# KiCad board GanJing 65 rev 2 solder-rounded.kicad_pcb (continued)
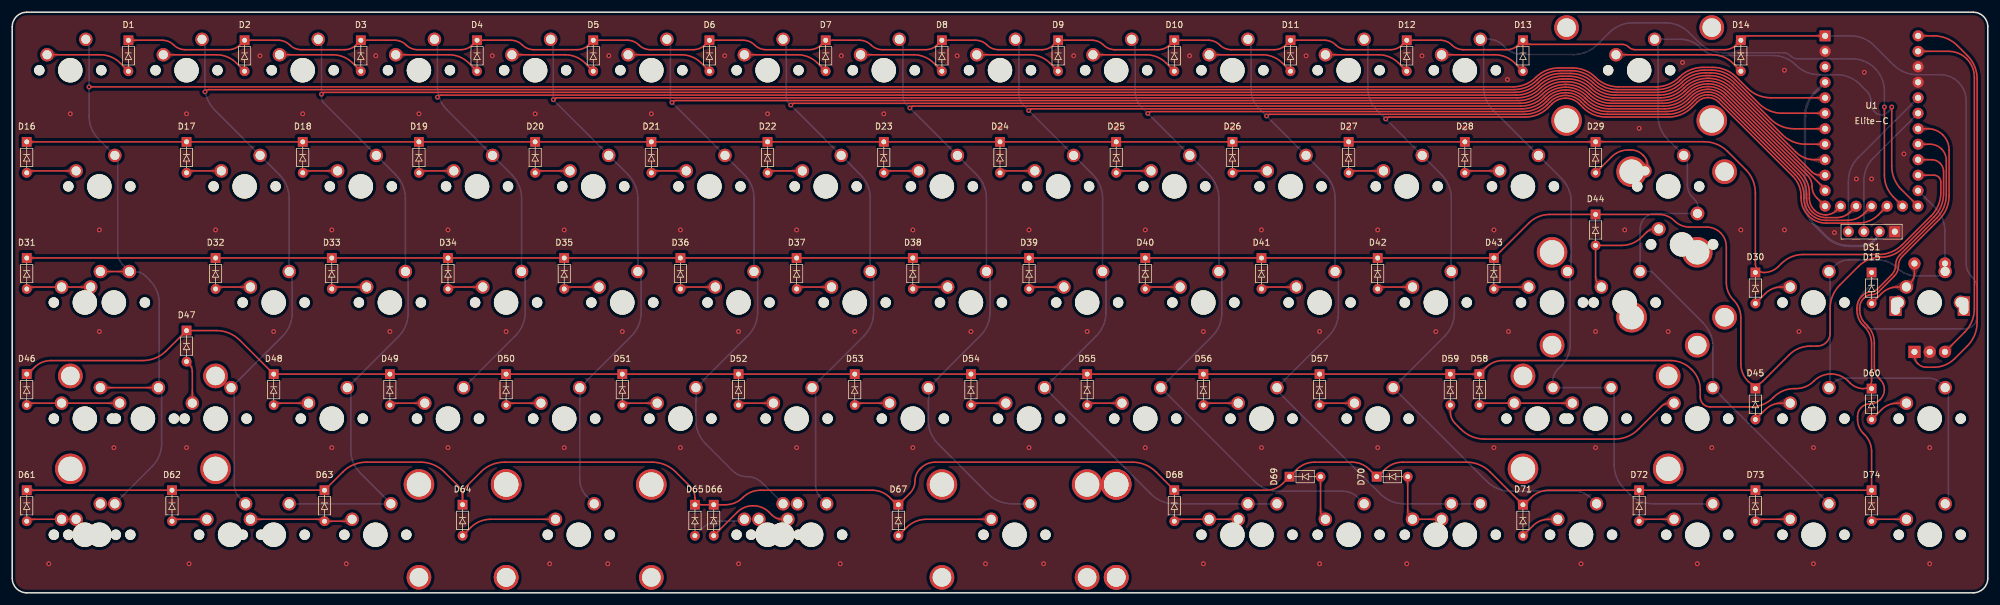
[diagram p0: board, top side]
## Routing (per net, layer and track width the routed paths; a pad name or vN(x,y) marks a point on that pad's centre or on a via; arc(x,y) is an arc through that point) (continued)
  Bottom w0.25: 146,90.22 146,81.51 arc(146.15,80.76) 146.57,80.12 v1(147.15,79.55) 158.11,68.59 arc(159.29,66.82) 159.7,64.74 MX38.1 ; 160.3,52.11 160.3,46.03 arc(159.89,43.95) 158.71,42.18 151.77,35.25 arc(150.59,33.48) 150.18,31.4 150.18,28.29 arc(150.59,26.21) 151.77,24.44 160.01,16.2 arc(161.78,15.02) 163.86,14.6 166.85,14.6
col_9: length 257.7
  Top w0.25: v1(166.62,79.12) 166.76,79.26 arc(166.91,79.36) 167.1,79.4 247.5,79.4 arc(249.52,79.8) 251.24,80.95 251.48,81.19 arc(252.93,82.16) 254.65,82.5 arc(256.37,82.16) 257.82,81.19 258.06,80.95 arc(259.78,79.8) 261.8,79.4 270.94,79.4 arc(273.02,79.81) 274.78,80.99 275.28,81.49 arc(276.51,82.31) 277.96,82.6 arc(279.42,82.31) 280.65,81.49 293.21,68.93 arc(294.24,67.39) 294.6,65.57 294.6,64.73 arc(294.81,63.69) 295.4,62.8 295.46,62.74 arc(296.28,62.19) 297.25,62 297.28,62 arc(298.21,62.19) 299,62.72 U1.25
  Bottom w0.25: 165,90.27 165,81.89 arc(165.21,80.83) 165.81,79.93 v1(166.62,79.12) 177.16,68.59 arc(178.34,66.82) 178.75,64.74 MX39.1 ; 179.3,52.16 179.3,45.98 arc(178.89,43.9) 177.71,42.13 MX54.1 186.68,16.2 arc(188.45,15.02) 190.53,14.6 207.33,14.6
col_10: length 235.9
  Top w0.25: v1(186.15,78.65) 186.3,78.8 arc(186.47,78.91) 186.66,78.95 247.69,78.95 arc(249.71,79.35) 251.43,80.5 251.8,80.87 arc(253.1,81.74) 254.65,82.05 arc(256.2,81.74) 257.5,80.87 257.87,80.5 arc(259.59,79.35) 261.61,78.95 271.12,78.95 arc(273.21,79.36) 274.97,80.54 275.6,81.17 arc(276.68,81.89) 277.96,82.15 arc(279.25,81.89) 280.33,81.17 292.76,68.74 arc(293.79,67.2) 294.15,65.38 294.15,64.73 arc(294.39,63.51) 295.08,62.48 arc(296.11,61.79) 297.33,61.55 299.05,61.55 arc(300.28,61.79) 301.32,62.49 U1.26
  Bottom w0.25: 184.1,90.22 184.1,82.14 arc(184.37,80.81) 185.12,79.67 v1(186.15,78.65) 196.21,68.59 arc(197.39,66.82) 197.8,64.74 MX40.1 ; 221.61,14.6 220.58,15.64 arc(219.44,16.4) 218.09,16.67 207.52,16.67 arc(205.44,17.08) 203.67,18.26 MX55.1 196.71,42.08 arc(197.89,43.85) 198.3,45.93 198.3,52.21
col_11: length 219.1
  Top w0.25: v1(205.62,78.22) 205.76,78.36 arc(205.91,78.46) 206.1,78.5 247.87,78.5 arc(249.9,78.9) 251.61,80.05 252.11,80.55 arc(253.28,81.33) 254.65,81.6 arc(256.02,81.33) 257.19,80.55 257.69,80.05 arc(259.4,78.9) 261.43,78.5 271.31,78.5 arc(273.39,78.91) 275.16,80.09 275.91,80.85 arc(276.86,81.48) 277.97,81.7 arc(279.08,81.48) 280.02,80.85 292.31,68.56 arc(293.34,67.02) 293.7,65.2 293.7,64.73 arc(293.98,63.34) 294.76,62.16 arc(295.94,61.38) 297.33,61.1 300.82,61.1 arc(302.34,61.4) 303.63,62.26 U1.27
  Bottom w0.25: 203.1,90.27 203.1,82.53 arc(203.43,80.88) 204.36,79.48 v1(205.62,78.22) 215.26,68.59 arc(216.44,66.82) 216.85,64.74 MX41.1 ; MX56.1 215.81,42.13 arc(216.99,43.9) 217.4,45.98 217.4,52.16 ; 207.33,33.18 224.31,16.2 arc(226.07,15.02) 228.16,14.6 240.66,14.6
col_12: length 202.3
  Top w0.25: v1(225.15,77.75) 225.3,77.9 arc(225.47,78.01) 225.66,78.05 248.06,78.05 arc(250.08,78.45) 251.8,79.6 252.43,80.23 arc(253.45,80.91) 254.65,81.15 arc(255.85,80.91) 256.87,80.23 257.5,79.6 arc(259.22,78.45) 261.24,78.05 271.5,78.05 arc(273.58,78.46) 275.34,79.64 276.23,80.53 arc(277.03,81.06) 277.97,81.25 arc(278.9,81.06) 279.7,80.53 291.86,68.37 arc(292.89,66.83) 293.25,65.01 293.25,64.73 arc(293.56,63.17) 294.45,61.85 arc(295.77,60.96) 297.33,60.65 302.59,60.65 arc(304.41,61.01) 305.95,62.04 U1.28
  Bottom w0.25: 222.2,90.22 222.2,82.78 arc(222.58,80.85) 223.67,79.22 v1(225.15,77.75) 234.31,68.59 arc(235.49,66.82) 235.9,64.74 MX42.1 ; 259.71,14.6 258.68,15.64 arc(257.54,16.4) 256.19,16.67 245.62,16.67 arc(243.54,17.08) 241.77,18.26 MX57.1 234.81,42.08 arc(235.99,43.85) 236.4,45.93 236.4,52.21
col_13: length 196.1
  Top w0.25: U1.29 308.39,64.92 arc(307.29,66.57) 306.9,68.52 v1(306.9,79.7)
  Bottom w0.25: 241.2,90.27 241.2,83 arc(241.61,80.92) 242.79,79.15 253.96,67.99 arc(255.14,66.22) 255.55,64.14 255.55,53.31 ; MX13.1 242.03,90.81 arc(243.29,90.55) 244.36,89.84 244.65,89.55 arc(246.03,88.63) 247.67,88.3 255.95,88.3 arc(258.03,88.71) 259.79,89.89 261.81,91.91 arc(263.57,93.09) 265.65,93.5 271.05,93.5 arc(273.13,93.09) 274.89,91.91 276.61,90.19 arc(278.37,89.01) 280.45,88.6 290.29,88.6 arc(290.95,88.47) 291.5,88.1 arc(292.05,87.73) 292.71,87.6 301.61,87.6 arc(303.63,87.2) 305.35,86.05 arc(306.5,84.33) 306.9,82.31 v1(306.9,79.7) ; 278.76,14.6 268.99,14.6 arc(266.91,15.02) 265.14,16.2 264.19,17.15 arc(263.01,18.91) 262.6,21 262.6,33.15 ; MX58.1 253.68,33.66 arc(252.9,33.98) 252.57,34.77 arc(252.78,35.79) 253.36,36.66 253.99,37.29 arc(255.03,38.86) 255.4,40.71 255.4,52.26
col_14: length 157.7
  Top w0.25: U1.13 309.69,66.16 arc(308.51,67.92) 308.1,70 v1(308.1,79.7)
  Bottom w0.25: 269.8,90.25 269.8,78.21 arc(270.21,76.13) 271.39,74.36 MX29.1 ; 266.86,53.67 266.86,59.72 arc(267.05,60.68) 267.59,61.49 arc(268.41,62.04) 269.37,62.23 275.54,62.23 ; 297.81,14.6 280.36,32.06 arc(279.18,33.83) 278.76,35.91 278.76,40.45 arc(278.35,42.53) 277.17,44.3 268.81,52.66 arc(268.8,52.67) 268.79,52.69 arc(268.79,52.7) 268.78,52.71 267.83,52.71 ; v1(308.1,79.7) 308.1,79.6 arc(308.08,79.51) 308.03,79.43 307.42,78.82 arc(306.95,78.51) 306.4,78.4 arc(305.85,78.51) 305.38,78.82 305.25,78.95 arc(304.84,79.56) 304.7,80.28 304.7,80.55 arc(304.51,81.52) 303.96,82.34 302.89,83.41 arc(301.13,84.59) 299.05,85 296.19,85 arc(294.13,85.41) 292.39,86.57 arc(290.64,87.74) 288.59,88.15 279.89,88.15 arc(278.16,88.49) 276.69,89.48 arc(275.22,90.46) 273.48,90.81 MX14.1 ; 274.6,71.16 274.6,66.96 arc(274.83,65.8) 275.49,64.81 275.79,64.51 arc(276.23,63.85) 276.38,63.07
col_15: length 90.4
  Bottom w0.25: 317.4,15.14 317.4,33.12 ; SW1.S1 316.82,59.31 arc(316.41,61.39) 315.23,63.16 U1.14 ; MX30.1 298.76,53.65 arc(299.81,54.35) 301.05,54.6 305.86,54.6 arc(307.56,54.26) 309,53.3 arc(310.44,52.34) 312.14,52 315.62,52 arc(316.09,52.09) 316.49,52.36 ; 298,52.52 298,33.84 ; MX45.1 298.59,34.43 arc(299.44,35) 300.45,35.2 314.23,35.2 arc(315.24,35) 316.09,34.43 MX60.1
rotory_1: length 68.6
  Top w0.25: U1.24 315.01,91.37 arc(317.09,90.96) 318.86,89.78 320.51,88.13 arc(321.69,86.36) 322.1,84.28 322.1,44.35 arc(321.69,42.27) 320.51,40.51 318.42,38.42 arc(316.85,37.37) 314.99,37 313.79,37 arc(313.04,37.15) 312.4,37.57 312.31,37.66 arc(311.95,38.2) 311.82,38.84
rotory_2: length 58.5
  Top w0.25: U1.23 317.42,88.83 arc(319.04,88.51) 320.41,87.59 arc(321.33,86.22) 321.65,84.6 321.65,46.6 arc(321.24,44.52) 320.06,42.76 SW1.B
row_1: length 380.6
  Top w0.25: 283.01,90.28 282.6,89.87 arc(281.74,89.3) 280.73,89.1 266.03,89.1 arc(265.46,89.21) 264.98,89.53 arc(264.5,89.86) 263.93,89.97 248.8,89.97 arc(248.36,90.06) 247.99,90.31 ; D1.1 24.61,90.65 arc(25.62,90.45) 26.48,89.87 arc(27.33,89.3) 28.34,89.1 35.46,89.1 arc(36.47,89.3) 37.33,89.87 arc(38.18,90.45) 39.19,90.65 43.64,90.65 arc(44.65,90.45) 45.5,89.87 arc(46.36,89.3) 47.37,89.1 54.51,89.1 arc(55.52,89.3) 56.38,89.87 arc(57.23,90.45) 58.24,90.65 62.71,90.65 arc(63.72,90.45) 64.58,89.87 arc(65.43,89.3) 66.44,89.1 73.56,89.1 arc(74.57,89.3) 75.43,89.87 arc(76.28,90.45) 77.29,90.65 81.75,90.65 arc(82.76,90.45) 83.62,89.87 arc(84.47,89.3) 85.48,89.1 92.61,89.1 arc(93.62,89.3) 94.48,89.87 arc(95.33,90.45) 96.34,90.65 100.86,90.65 arc(101.87,90.45) 102.73,89.87 arc(103.58,89.3) 104.59,89.1 111.66,89.1 arc(112.67,89.3) 113.53,89.87 arc(114.38,90.45) 115.39,90.65 119.84,90.65 arc(120.85,90.45) 121.7,89.87 arc(122.56,89.3) 123.57,89.1 130.71,89.1 arc(131.72,89.3) 132.58,89.87 arc(133.43,90.45) 134.44,90.65 138.91,90.65 arc(139.92,90.45) 140.78,89.87 arc(141.64,89.3) 142.65,89.1 149.76,89.1 arc(150.77,89.3) 151.63,89.87 arc(152.48,90.45) 153.49,90.65 157.93,90.65 arc(158.94,90.45) 159.79,89.87 arc(160.65,89.3) 161.66,89.1 168.81,89.1 arc(169.82,89.3) 170.68,89.87 arc(171.53,90.45) 172.54,90.65 177.01,90.65 arc(178.02,90.45) 178.88,89.87 arc(179.74,89.3) 180.75,89.1 187.86,89.1 arc(188.87,89.3) 189.73,89.87 arc(190.58,90.45) 191.59,90.65 196.09,90.65 arc(197.1,90.45) 197.95,89.87 arc(198.81,89.3) 199.82,89.1 206.91,89.1 arc(207.92,89.3) 208.78,89.87 arc(209.63,90.45) 210.64,90.65 215.11,90.65 arc(216.12,90.45) 216.98,89.87 arc(217.83,89.3) 218.84,89.1 225.96,89.1 arc(226.97,89.3) 227.83,89.87 arc(228.68,90.45) 229.69,90.65 234.14,90.65 arc(235.15,90.45) 236,89.87 arc(236.86,89.3) 237.87,89.1 245.01,89.1 arc(246.02,89.3) 246.88,89.87 247.31,90.31 ; U1.1 284.6,91.37 arc(284.13,91.28) 283.73,91.01
  Bottom w0.25: U1.1 301.38,91.37 arc(303.46,90.96) 305.22,89.78 308.41,86.59 arc(310.17,85.41) 312.25,85 316.03,85 arc(317.67,84.68) 319.05,83.75 arc(319.98,82.37) 320.3,80.73 320.3,54.07 arc(320.53,52.9) 321.2,51.9 arc(321.87,50.9) 322.1,49.73 322.1,45.35 arc(321.94,44.56) 321.5,43.9 arc(320.84,43.46) 320.05,43.3 305.06,43.3 arc(304.08,43.49) 303.25,44.05 arc(302.69,44.88) 302.5,45.86 302.5,46.67 arc(302.8,48.18) 303.65,49.45 304.11,49.91 arc(304.62,50.67) 304.8,51.57 D15.1
row_2: length 342.5
  Top w0.25: D16.1 D29.1 ; 259.58,74 277.35,74 arc(279.43,73.59) 281.19,72.41 284.16,69.44 arc(285.34,67.68) 285.75,65.6 285.75,53.94 arc(286.16,52.96) 287.15,52.55 arc(288.44,52.8) 289.53,53.53 290.02,54.02 arc(291.66,55.12) 293.59,55.5 305.97,55.5 arc(308.06,55.91) 309.82,57.09 314.58,61.86 arc(315.74,63.59) 316.15,65.64 316.15,67.38 arc(316.06,67.81) 315.82,68.18 arc(315.45,68.42) 315.02,68.51 U1.15
row_3: length 365
  Top w0.25: D31.1 D43.1 248.62,60.66 arc(250.18,61.7) 252.03,62.07 269.96,62.07 arc(271.32,61.8) 272.46,61.04 arc(273.61,60.27) 274.96,60 277.77,60 arc(279,59.75) 280.04,59.06 arc(280.74,58.01) 280.99,56.78 280.99,50.9 arc(281.3,49.34) 282.18,48.02 arc(283.06,46.7) 283.37,45.15 283.37,37.56 arc(283.68,36.01) 284.56,34.69 arc(285.75,34.19) 286.94,34.69 291.29,39.04 arc(292.88,40.1) 294.75,40.47 295.9,40.47 arc(296.71,40.63) 297.39,41.09 arc(297.84,41.77) 298,42.57 298,46.65 arc(298.41,48.73) 299.59,50.49 302.64,53.54 arc(304.31,54.66) 306.28,55.05 arc(308.25,55.44) 309.92,56.56 315.01,61.64 arc(316.19,63.41) 316.6,65.49 316.6,69.09 arc(316.45,69.84) 316.02,70.48 arc(315.39,70.9) 314.64,71.05 U1.16
row_4: length 365
  Top w0.25: D58.1 241.62,36.99 arc(242.85,37.81) 244.3,38.1 271.81,38.1 arc(273.69,37.73) 275.28,36.67 275.37,36.57 arc(276.37,35.09) 276.71,33.34 276.71,32.11 arc(276.84,31.5) 277.19,30.97 arc(277.71,30.62) 278.33,30.5 285.03,30.5 arc(286.99,30.89) 288.65,32 288.75,32.1 arc(290.3,33.14) 292.12,33.5 292.4,33.5 arc(293.97,33.81) 295.3,34.7 295.33,34.73 arc(296.63,35.6) 298.15,35.9 arc(299.67,35.6) 300.97,34.73 301.29,34.41 arc(302.3,33.73) 303.5,33.5 arc(304.42,33.88) 304.8,34.79 304.8,40.8 arc(304.49,42.37) 303.6,43.7 303.44,43.86 arc(302.67,45.01) 302.4,46.37 302.4,46.77 arc(302.6,47.75) 303.16,48.59 303.43,48.87 arc(303.97,49.22) 304.6,49.35 arc(305.23,49.48) 305.76,49.83 308.07,52.14 arc(308.57,52.9) 308.75,53.79 arc(308.93,54.68) 309.43,55.43 315.46,61.46 arc(316.64,63.22) 317.05,65.3 317.05,70.93 arc(316.85,71.95) 316.27,72.81 arc(315.41,73.39) 314.39,73.59 U1.17 ; 240.35,35.88 D48.1 37.31,41.43 arc(35.55,42.61) 33.46,43.02 D47.1 25.25,39.69 arc(23.48,38.51) 21.4,38.1 6.33,38.1 arc(4.88,37.81) 3.65,36.99 2.54,35.88
row_5: length 400.6
  Top w0.25: D61.1 D63.1 54.2,19.84 arc(55.97,21.02) 58.05,21.43 66.96,21.43 arc(69.04,21.02) 70.81,19.84 72.98,17.67 arc(73.6,16.74) 73.82,15.64 ; 223.84,19.05 225.03,20.24 arc(226.35,21.12) 227.9,21.43 238.41,21.43 arc(240.49,21.02) 242.26,19.84 D71.1 ; 247.81,14.45 249,15.64 arc(250.32,16.52) 251.87,16.83 D74.1 304.8,23.17 arc(304.5,24.68) 303.65,25.95 303.45,26.15 arc(302.75,27.2) 302.5,28.45 302.5,28.95 arc(302.66,29.74) 303.1,30.4 arc(303.76,30.84) 304.55,31 304.6,31 arc(305.43,31.17) 306.14,31.64 306.23,31.73 arc(306.73,32.47) 306.9,33.35 arc(306.73,34.23) 306.23,34.97 306.08,35.12 arc(305.46,36.04) 305.25,37.12 305.25,40.99 arc(304.94,42.56) 304.05,43.89 303.76,44.18 arc(303.09,45.18) 302.85,46.37 302.85,46.77 arc(303.01,47.58) 303.48,48.28 303.62,48.42 arc(304.15,48.77) 304.78,48.9 arc(305.41,49.03) 305.95,49.38 308.52,51.96 arc(309.02,52.71) 309.2,53.6 arc(309.38,54.49) 309.88,55.24 315.91,61.27 arc(317.09,63.04) 317.5,65.12 317.5,72.66 arc(317.24,73.99) 316.48,75.11 arc(315.36,75.87) 314.03,76.13 U1.18 ; D67.1 147.17,16.36 arc(147.78,17.27) 147.99,18.34 arc(148.21,19.41) 148.81,20.32 148.96,20.47 arc(150.03,21.18) 151.29,21.43 183.64,21.43 arc(185.72,21.02) 187.49,19.84 D68.1 205.6,16.83 arc(207.05,17.12) 208.28,17.94 210.58,20.24 arc(211.9,21.12) 213.46,21.43 219.61,21.43 arc(221.17,21.12) 222.49,20.24 D70.1 ; 145.05,14.45 143.86,15.64 arc(142.54,16.52) 140.98,16.83 122.65,16.83 arc(121.09,16.52) 119.78,15.64 arc(118.46,14.76) 116.9,14.45 113.03,14.45 arc(112.24,14.77) 111.92,15.56 arc(111.71,16.58) 111.13,17.45 108.75,19.84 arc(106.98,21.02) 104.9,21.43 80.68,21.43 arc(78.59,21.02) 76.83,19.84 74.66,17.67 arc(74.04,16.74) 73.82,15.64 ; 73.82,15.64 D64.1
S2: length 9.1
  Top w0.25: SW1.S2 311.82,52.4 arc(311.65,51.55) 311.17,50.82 ; D15.2 306.43,49.1 arc(307.61,49.89) 309.01,50.16 309.59,50.16
SCL: length 22.9
  Bottom w0.25: DS1.3 303.53,67.53 arc(303.94,69.61) 305.12,71.37 U1.19
SDA: length 26.4
  Bottom w0.25: U1.20 302.59,71.38 arc(301.41,69.62) 301,67.54 301,59.26
Net-(D1-Pad2): length 14.3
  Top w0.25: MX1.2 14.44,88.27 arc(16.21,87.91) 17.7,86.92 D1.2
Net-(D2-Pad2): length 14.3
  Top w0.25: MX2.2 33.49,88.27 arc(35.26,87.91) 36.75,86.92 D2.2
Net-(D3-Pad2): length 14.3
  Top w0.25: D3.2 55.8,86.92 arc(54.31,87.91) 52.54,88.27 MX3.2
Net-(D4-Pad2): length 14.3
  Top w0.25: MX4.2 71.59,88.27 arc(73.36,87.91) 74.85,86.92 D4.2
Net-(D5-Pad2): length 14.3
  Top w0.25: MX5.2 90.64,88.27 arc(92.41,87.91) 93.9,86.92 D5.2
Net-(D6-Pad2): length 14.3
  Top w0.25: D6.2 112.95,86.92 arc(111.46,87.91) 109.69,88.27 MX6.2
Net-(D7-Pad2): length 14.3
  Top w0.25: MX7.2 128.74,88.27 arc(130.51,87.91) 132,86.92 D7.2
Net-(D8-Pad2): length 14.3
  Top w0.25: D8.2 151.05,86.92 arc(149.56,87.91) 147.79,88.27 MX8.2
Net-(D9-Pad2): length 14.3
  Top w0.25: MX9.2 166.84,88.27 arc(168.61,87.91) 170.1,86.92 D9.2
Net-(D10-Pad2): length 14.3
  Top w0.25: MX10.2 185.89,88.27 arc(187.66,87.91) 189.15,86.92 D10.2
Net-(D11-Pad2): length 14.3
  Top w0.25: MX11.2 204.94,88.27 arc(206.71,87.91) 208.2,86.92 D11.2
Net-(D12-Pad2): length 14.3
  Top w0.25: MX12.2 223.99,88.27 arc(225.76,87.91) 227.25,86.92 D12.2
Net-(D13-Pad2): length 14.3
  Top w0.25: MX13.2 243.04,88.27 arc(244.81,87.91) 246.3,86.92 D13.2
Net-(D14-Pad2): length 21.4
  Top w0.25: D14.2 282.02,86.92 arc(280.52,87.91) 278.76,88.27 MX14.2
Net-(D16-Pad2): length 7.8
  Top w0.25: 2.7,69.22 MX16.2
Net-(D17-Pad2): length 5.4
  Top w0.25: MX17.2 28.89,69.22
Net-(D18-Pad2): length 5.4
  Top w0.25: MX18.2 47.94,69.22
Net-(D19-Pad2): length 5.4
  Top w0.25: MX19.2 66.99,69.22
Net-(D20-Pad2): length 5.4
  Top w0.25: MX20.2 86.04,69.22
Net-(D21-Pad2): length 5.4
  Top w0.25: MX21.2 105.09,69.22
Net-(D22-Pad2): length 5.4
  Top w0.25: MX22.2 124.14,69.22
Net-(D23-Pad2): length 5.4
  Top w0.25: MX23.2 143.19,69.22
Net-(D24-Pad2): length 5.4
  Top w0.25: MX24.2 162.24,69.22
Net-(D25-Pad2): length 5.4
  Top w0.25: MX25.2 181.29,69.22
Net-(D26-Pad2): length 5.4
  Top w0.25: MX26.2 200.34,69.22
Net-(D27-Pad2): length 5.4
  Top w0.25: MX27.2 219.39,69.22
Net-(D28-Pad2): length 5.4
  Top w0.25: MX28.2 238.44,69.22
Net-(D29-Pad2): length 12.2
  Top w0.25: 268.09,69.22 268.09,70.13 arc(267.92,70.98) 267.44,71.69 267.29,71.85 arc(266.4,72.44) 265.35,72.65 264.9,72.65 arc(263.43,72.36) 262.19,71.53 D29.2
Net-(D30-Pad2): length 6.7
  Top w0.25: MX30.2 289.96,50.16 arc(288.56,49.89) 287.38,49.1 D30.2
Net-(D31-Pad2): length 10.2
  Top w0.25: 2.7,50.16 MX31.2
Net-(D32-Pad2): length 5.4
  Top w0.25: MX32.2 33.65,50.16
Net-(D33-Pad2): length 5.4
  Top w0.25: MX33.2 52.71,50.16
Net-(D34-Pad2): length 5.4
  Top w0.25: MX34.2 71.75,50.16
Net-(D35-Pad2): length 5.4
  Top w0.25: MX35.2 90.81,50.16
Net-(D36-Pad2): length 5.4
  Top w0.25: MX36.2 109.86,50.16
Net-(D37-Pad2): length 5.4
  Top w0.25: MX37.2 128.91,50.16
Net-(D38-Pad2): length 5.4
  Top w0.25: MX38.2 147.96,50.16
Net-(D39-Pad2): length 5.4
  Top w0.25: MX39.2 167,50.16
Net-(D40-Pad2): length 5.4
  Top w0.25: MX40.2 186.06,50.16
Net-(D41-Pad2): length 5.4
  Top w0.25: MX41.2 205.11,50.16
Net-(D42-Pad2): length 5.4
  Top w0.25: MX42.2 224.16,50.16
Net-(D43-Pad2): length 5.4
  Top w0.25: MX43.2 243.21,50.16
Net-(D44-Pad2): length 17
  Top w0.25: 260.03,50.64 arc(259.68,51.17) 259.56,51.79 D44.2 263.84,56.99 arc(265.6,57.34) 267.09,58.34 267.88,59.13 arc(268.5,59.54) 269.24,59.69
Net-(D45-Pad2): length 6.7
  Top w0.25: D45.2 287.38,30.05 arc(288.56,30.84) 289.96,31.12 291.46,31.12
Net-(D46-Pad2): length 14.9
  Top w0.25: 2.7,31.12 17.62,31.12
Net-(D47-Pad2): length 7.2
  Top w0.25: 29.53,31.12 29.53,36.32 arc(29.4,36.94) 29.05,37.47 D47.2
Net-(D48-Pad2): length 5.4
  Top w0.25: 48.58,31.12 43.18,31.12
Net-(D49-Pad2): length 5.4
  Top w0.25: 67.63,31.12 62.23,31.12
Net-(D50-Pad2): length 5.4
  Top w0.25: 86.68,31.12 81.28,31.12
Net-(D51-Pad2): length 5.4
  Top w0.25: 105.73,31.12 100.33,31.12
Net-(D52-Pad2): length 5.4
  Top w0.25: 124.78,31.12 119.38,31.12
Net-(D53-Pad2): length 5.4
  Top w0.25: 143.83,31.12 138.43,31.12
Net-(D54-Pad2): length 5.4
  Top w0.25: 162.88,31.12 157.48,31.12
Net-(D55-Pad2): length 5.4
  Top w0.25: 181.93,31.12 176.53,31.12
Net-(D56-Pad2): length 5.4
  Top w0.25: 200.98,31.12 195.58,31.12
Net-(D57-Pad2): length 5.4
  Top w0.25: 220.03,31.12 214.63,31.12
Net-(D58-Pad2): length 14.9
  Top w0.25: 240.82,31.12 255.75,31.12
Net-(D59-Pad2): length 41.3
  Top w0.25: D59.2 235.74,29.69 arc(235.95,28.66) 236.53,27.79 237.5,26.81 arc(239.27,25.63) 241.35,25.22 262.71,25.22 arc(264.79,25.63) 266.56,26.81 270.31,30.57 arc(270.92,30.97) 271.64,31.12
Net-(D60-Pad2): length 6.7
  Top w0.25: D60.2 306.43,30.05 arc(307.61,30.84) 309.01,31.12 310.51,31.12
Net-(D61-Pad2): length 7.8
  Top w0.25: 2.7,12.06 MX79.2
Net-(D62-Pad2): length 5.4
  Top w0.25: 31.91,12.06 26.51,12.06
Net-(D63-Pad2): length 16
  Top w0.25: D63.2 55.4,11.75 ; 50.88,12.06 MX80.2
Net-(D64-Pad2): length 16.2
  Top w0.25: D64.2 75.17,10.72 arc(76.66,11.71) 78.43,12.06 MX64.2
Net-(D65-Pad2): length 11
  Bottom w0.25: MX81.2 MX65.2 ; 119.7,11.75 115.98,11.75 arc(114.43,11.44) 113.11,10.56 D65.2
Net-(D66-Pad2): length 13.7
  Top w0.25: D66.2 118.82,13.19 arc(120.03,14) 121.46,14.29 arc(122.89,14) 124.1,13.19 124.55,12.75 arc(125.3,12.24) 126.19,12.06
Net-(D67-Pad2): length 16.2
  Top w0.25: MX67.2 149.86,12.06 arc(148.1,11.71) 146.61,10.72 D67.2
Net-(D68-Pad2): length 10.2
  Top w0.25: 190.82,12.06 MX82.2
Net-(D69-Pad2): length 6.7
  Top w0.25: D69.2 214.47,13.42 arc(214.57,12.9) 214.87,12.46
Net-(D70-Pad2): length 12.1
  Top w0.25: MX70.2 228.92,12.06 ; 228.76,19.05 228.76,13.42 arc(228.86,12.9) 229.16,12.46
Net-(D71-Pad2): length 6.7
  Top w0.25: D71.2 249.28,11 arc(250.46,11.79) 251.86,12.06 MX71.2
Net-(D72-Pad2): length 5.4
  Top w0.25: MX72.2 267.02,12.06
Net-(D73-Pad2): length 5.4
  Top w0.25: MX73.2 286.07,12.06
Net-(D74-Pad2): length 5.4
  Top w0.25: MX74.2 305.12,12.06

## Copper pours and planes (outline as drawn; the poured copper is in the pictures)
GND on Top: 323.85,0 0,0 0,95.25 323.85,95.25
GND on Bottom: 323.85,0 0,0 0,95.25 323.85,95.25
VCC on Bottom: 296.06,82.34 296.21,82.48 296.35,82.59 296.48,82.66 296.61,82.71 296.73,82.74 296.86,82.76 296.99,82.79 297.14,82.81 297.3,82.85 297.48,82.9 297.5,84.07 296.33,84.05 296.28,83.87 296.24,83.71 296.22,83.56 296.19,83.43 296.17,83.3 296.14,83.18 296.09,83.05 296.02,82.92 295.91,82.78 295.77,82.63
VCC on Bottom: 296.06,82.34 296.21,82.48 296.35,82.59 296.48,82.66 296.61,82.71 296.73,82.74 296.86,82.76 296.99,82.79 297.14,82.81 297.3,82.85 297.48,82.9 297.5,84.07 296.33,84.05 296.28,83.87 296.24,83.71 296.22,83.56 296.19,83.43 296.17,83.3 296.14,83.18 296.09,83.05 296.02,82.92 295.91,82.78 295.77,82.63
VCC on Bottom: 304.56,57.08 304.84,57.24 305.07,57.39 305.27,57.53 305.43,57.66 305.58,57.79 305.72,57.92 305.87,58.05 306.04,58.18 306.24,58.31 306.49,58.45 306.21,59.68 305.18,59.13 305.2,58.9 305.22,58.68 305.21,58.49 305.18,58.31 305.13,58.14 305.05,57.98 304.93,57.84 304.78,57.7 304.6,57.56 304.37,57.43
VCC on Bottom: 304.56,57.08 304.84,57.24 305.07,57.39 305.27,57.53 305.43,57.66 305.58,57.79 305.72,57.92 305.87,58.05 306.04,58.18 306.24,58.31 306.49,58.45 306.21,59.68 305.18,59.13 305.2,58.9 305.22,58.68 305.21,58.49 305.18,58.31 305.13,58.14 305.05,57.98 304.93,57.84 304.78,57.7 304.6,57.56 304.37,57.43
col_1 on Top: 16.64,33.78 16.38,33.79 16.16,33.83 15.99,33.9 15.84,33.98 15.71,34.07 15.58,34.18 15.45,34.29 15.31,34.41 15.13,34.53 14.93,34.65 13.9,33.66 14.93,32.66 15.13,32.78 15.31,32.9 15.45,33.02 15.58,33.13 15.71,33.24 15.84,33.33 15.99,33.41 16.16,33.48 16.38,33.52 16.64,33.53
col_1 on Top: 16.64,52.83 16.38,52.84 16.16,52.88 15.99,52.95 15.84,53.03 15.71,53.12 15.58,53.23 15.45,53.34 15.31,53.46 15.13,53.58 14.93,53.69 13.9,52.71 14.93,51.72 15.13,51.83 15.31,51.95 15.45,52.07 15.58,52.18 15.71,52.29 15.84,52.38 15.99,52.46 16.16,52.53 16.38,52.57 16.64,52.58
col_1 on Top: 17.02,52.58 17.28,52.57 17.49,52.53 17.67,52.46 17.81,52.38 17.95,52.29 18.07,52.18 18.2,52.07 18.35,51.95 18.52,51.83 18.73,51.72 19.76,52.71 18.73,53.69 18.52,53.58 18.35,53.46 18.2,53.34 18.07,53.23 17.95,53.12 17.81,53.03 17.67,52.95 17.49,52.88 17.28,52.84 17.02,52.83
col_1 on Top: 21.78,33.53 22.04,33.52 22.25,33.48 22.43,33.41 22.58,33.33 22.71,33.24 22.84,33.13 22.97,33.02 23.11,32.9 23.28,32.78 23.49,32.66 24.52,33.66 23.49,34.65 23.28,34.53 23.11,34.41 22.97,34.29 22.84,34.18 22.71,34.07 22.58,33.98 22.43,33.9 22.25,33.83 22.04,33.79 21.78,33.78
col_1 on Top: 16.64,33.78 16.38,33.79 16.16,33.83 15.99,33.9 15.84,33.98 15.71,34.07 15.58,34.18 15.45,34.29 15.31,34.41 15.13,34.53 14.93,34.65 13.9,33.66 14.93,32.66 15.13,32.78 15.31,32.9 15.45,33.02 15.58,33.13 15.71,33.24 15.84,33.33 15.99,33.41 16.16,33.48 16.38,33.52 16.64,33.53
col_1 on Top: 17.02,52.58 17.28,52.57 17.49,52.53 17.67,52.46 17.81,52.38 17.95,52.29 18.07,52.18 18.2,52.07 18.35,51.95 18.52,51.83 18.73,51.72 19.76,52.71 18.73,53.69 18.52,53.58 18.35,53.46 18.2,53.34 18.07,53.23 17.95,53.12 17.81,53.03 17.67,52.95 17.49,52.88 17.28,52.84 17.02,52.83
col_1 on Top: 16.64,52.83 16.38,52.84 16.16,52.88 15.99,52.95 15.84,53.03 15.71,53.12 15.58,53.23 15.45,53.34 15.31,53.46 15.13,53.58 14.93,53.69 13.9,52.71 14.93,51.72 15.13,51.83 15.31,51.95 15.45,52.07 15.58,52.18 15.71,52.29 15.84,52.38 15.99,52.46 16.16,52.53 16.38,52.57 16.64,52.58
col_1 on Top: 295.39,81.08 295.6,81.07 295.77,81.04 295.92,80.99 296.04,80.93 296.15,80.85 296.25,80.77 296.36,80.68 296.48,80.59 296.62,80.49 296.79,80.4 297.63,81.21 296.79,82.02 296.62,81.93 296.48,81.83 296.36,81.74 296.25,81.65 296.15,81.57 296.04,81.49 295.92,81.43 295.77,81.38 295.6,81.35 295.39,81.33
col_1 on Top: 295.39,81.08 295.6,81.07 295.77,81.04 295.92,80.99 296.04,80.93 296.15,80.85 296.25,80.77 296.36,80.68 296.48,80.59 296.62,80.49 296.79,80.4 297.63,81.21 296.79,82.02 296.62,81.93 296.48,81.83 296.36,81.74 296.25,81.65 296.15,81.57 296.04,81.49 295.92,81.43 295.77,81.38 295.6,81.35 295.39,81.33
col_1 on Top: 21.78,33.53 22.04,33.52 22.25,33.48 22.43,33.41 22.58,33.33 22.71,33.24 22.84,33.13 22.97,33.02 23.11,32.9 23.28,32.78 23.49,32.66 24.52,33.66 23.49,34.65 23.28,34.53 23.11,34.41 22.97,34.29 22.84,34.18 22.71,34.07 22.58,33.98 22.43,33.9 22.25,33.83 22.04,33.79 21.78,33.78
col_1 on Bottom: 23.98,35.85 23.96,35.6 23.92,35.4 23.86,35.23 23.77,35.09 23.68,34.96 23.56,34.84 23.44,34.72 23.31,34.59 23.18,34.44 23.04,34.25 23.91,33.11 25.01,34.02 24.92,34.24 24.82,34.43 24.71,34.59 24.51,34.87 24.42,35.02 24.34,35.17 24.28,35.36 24.24,35.58 24.23,35.85
col_1 on Bottom: 15.19,73.22 15.36,73.02 15.49,72.84 15.57,72.67 15.61,72.51 15.64,72.35 15.65,72.19 15.66,72.01 15.68,71.83 15.72,71.62 15.79,71.39 17.22,71.37 17.19,72.79 16.96,72.86 16.76,72.9 16.57,72.92 16.4,72.93 16.23,72.94 16.07,72.97 15.91,73.02 15.74,73.1 15.56,73.22 15.37,73.39
col_1 on Bottom: 12.73,88.74 12.74,89.03 12.77,89.27 12.82,89.47 12.88,89.65 12.95,89.82 13.01,89.98 13.07,90.15 13.12,90.33 13.15,90.55 13.16,90.81 11.8,91.29 11.43,89.91 11.6,89.8 11.76,89.71 11.91,89.63 12.04,89.55 12.17,89.47 12.27,89.37 12.36,89.26 12.42,89.12 12.46,88.95 12.48,88.74
col_1 on Bottom: 24.62,31.59 24.64,31.88 24.67,32.12 24.72,32.32 24.78,32.5 24.85,32.67 24.91,32.83 24.97,32.99 25.02,33.18 25.06,33.4 25.07,33.66 23.71,34.14 23.33,32.76 23.5,32.65 23.66,32.56 23.81,32.48 23.94,32.4 24.07,32.32 24.17,32.22 24.26,32.11 24.32,31.97 24.36,31.8 24.37,31.59
col_1 on Bottom: 21.42,52.47 21.19,52.62 21,52.75 20.84,52.86 20.7,52.97 20.45,53.17 20.32,53.28 20.17,53.39 20,53.51 19.79,53.64 18.66,52.73 19.65,51.7 19.85,51.8 20.02,51.92 20.18,52.04 20.32,52.16 20.46,52.26 20.6,52.35 20.75,52.39 20.91,52.4 21.09,52.36 21.29,52.25
col_1 on Bottom: 12.73,88.74 12.74,89.03 12.77,89.27 12.82,89.47 12.88,89.65 12.95,89.82 13.01,89.98 13.07,90.15 13.12,90.33 13.15,90.55 13.16,90.81 11.8,91.29 11.43,89.91 11.6,89.8 11.76,89.71 11.91,89.63 12.04,89.55 12.17,89.47 12.27,89.37 12.36,89.26 12.42,89.12 12.46,88.95 12.48,88.74
col_1 on Bottom: 17.43,69.65 17.44,69.95 17.48,70.19 17.53,70.4 17.6,70.58 17.67,70.74 17.75,70.9 17.81,71.07 17.87,71.26 17.91,71.48 17.93,71.74 16.59,72.25 16.14,70.9 16.3,70.78 16.46,70.67 16.61,70.58 16.74,70.5 16.87,70.41 16.97,70.31 17.06,70.19 17.12,70.05 17.16,69.87 17.18,69.65
col_1 on Bottom: 23.98,35.85 23.96,35.6 23.92,35.4 23.86,35.23 23.77,35.09 23.68,34.96 23.56,34.84 23.44,34.72 23.31,34.59 23.18,34.44 23.04,34.25 23.91,33.11 25.01,34.02 24.92,34.24 24.82,34.43 24.71,34.59 24.51,34.87 24.42,35.02 24.34,35.17 24.28,35.36 24.24,35.58 24.23,35.85
col_1 on Bottom: 17.51,54.5 17.64,54.22 17.73,53.98 17.8,53.76 17.86,53.57 17.9,53.39 17.97,53.03 18.02,52.83 18.08,52.61 18.17,52.34 19.6,52.32 19.57,53.74 19.32,53.82 19.09,53.86 18.88,53.89 18.68,53.91 18.5,53.94 18.33,53.99 18.16,54.07 18.01,54.19 17.87,54.37 17.73,54.61
col_1 on Bottom: 24.62,31.59 24.64,31.88 24.67,32.12 24.72,32.32 24.78,32.5 24.85,32.67 24.91,32.83 24.97,32.99 25.02,33.18 25.06,33.4 25.07,33.66 23.71,34.14 23.33,32.76 23.5,32.65 23.66,32.56 23.81,32.48 23.94,32.4 24.07,32.32 24.17,32.22 24.26,32.11 24.32,31.97 24.36,31.8 24.37,31.59
col_1 on Bottom: 16.66,14.93 16.43,14.85 16.22,14.83 16.05,14.85 15.89,14.91 15.75,15 15.61,15.1 15.47,15.23 15.31,15.35 15.13,15.48 14.93,15.59 13.9,14.6 14.93,13.62 15.16,13.73 15.35,13.85 15.51,13.96 15.65,14.06 15.79,14.16 15.93,14.26 16.09,14.37 16.27,14.47 16.49,14.58 16.76,14.7
col_1 on Bottom: 17.43,69.65 17.44,69.95 17.48,70.19 17.53,70.4 17.6,70.58 17.67,70.74 17.75,70.9 17.81,71.07 17.87,71.26 17.91,71.48 17.93,71.74 16.59,72.25 16.14,70.9 16.3,70.78 16.46,70.67 16.61,70.58 16.74,70.5 16.87,70.41 16.97,70.31 17.06,70.19 17.12,70.05 17.16,69.87 17.18,69.65
col_1 on Bottom: 16.66,14.93 16.43,14.85 16.22,14.83 16.05,14.85 15.89,14.91 15.75,15 15.61,15.1 15.47,15.23 15.31,15.35 15.13,15.48 14.93,15.59 13.9,14.6 14.93,13.62 15.16,13.73 15.35,13.85 15.51,13.96 15.65,14.06 15.79,14.16 15.93,14.26 16.09,14.37 16.27,14.47 16.49,14.58 16.76,14.7
